# Altium PCB 20240807_Carrier.PcbDoc (part 2 of 2) (continued)
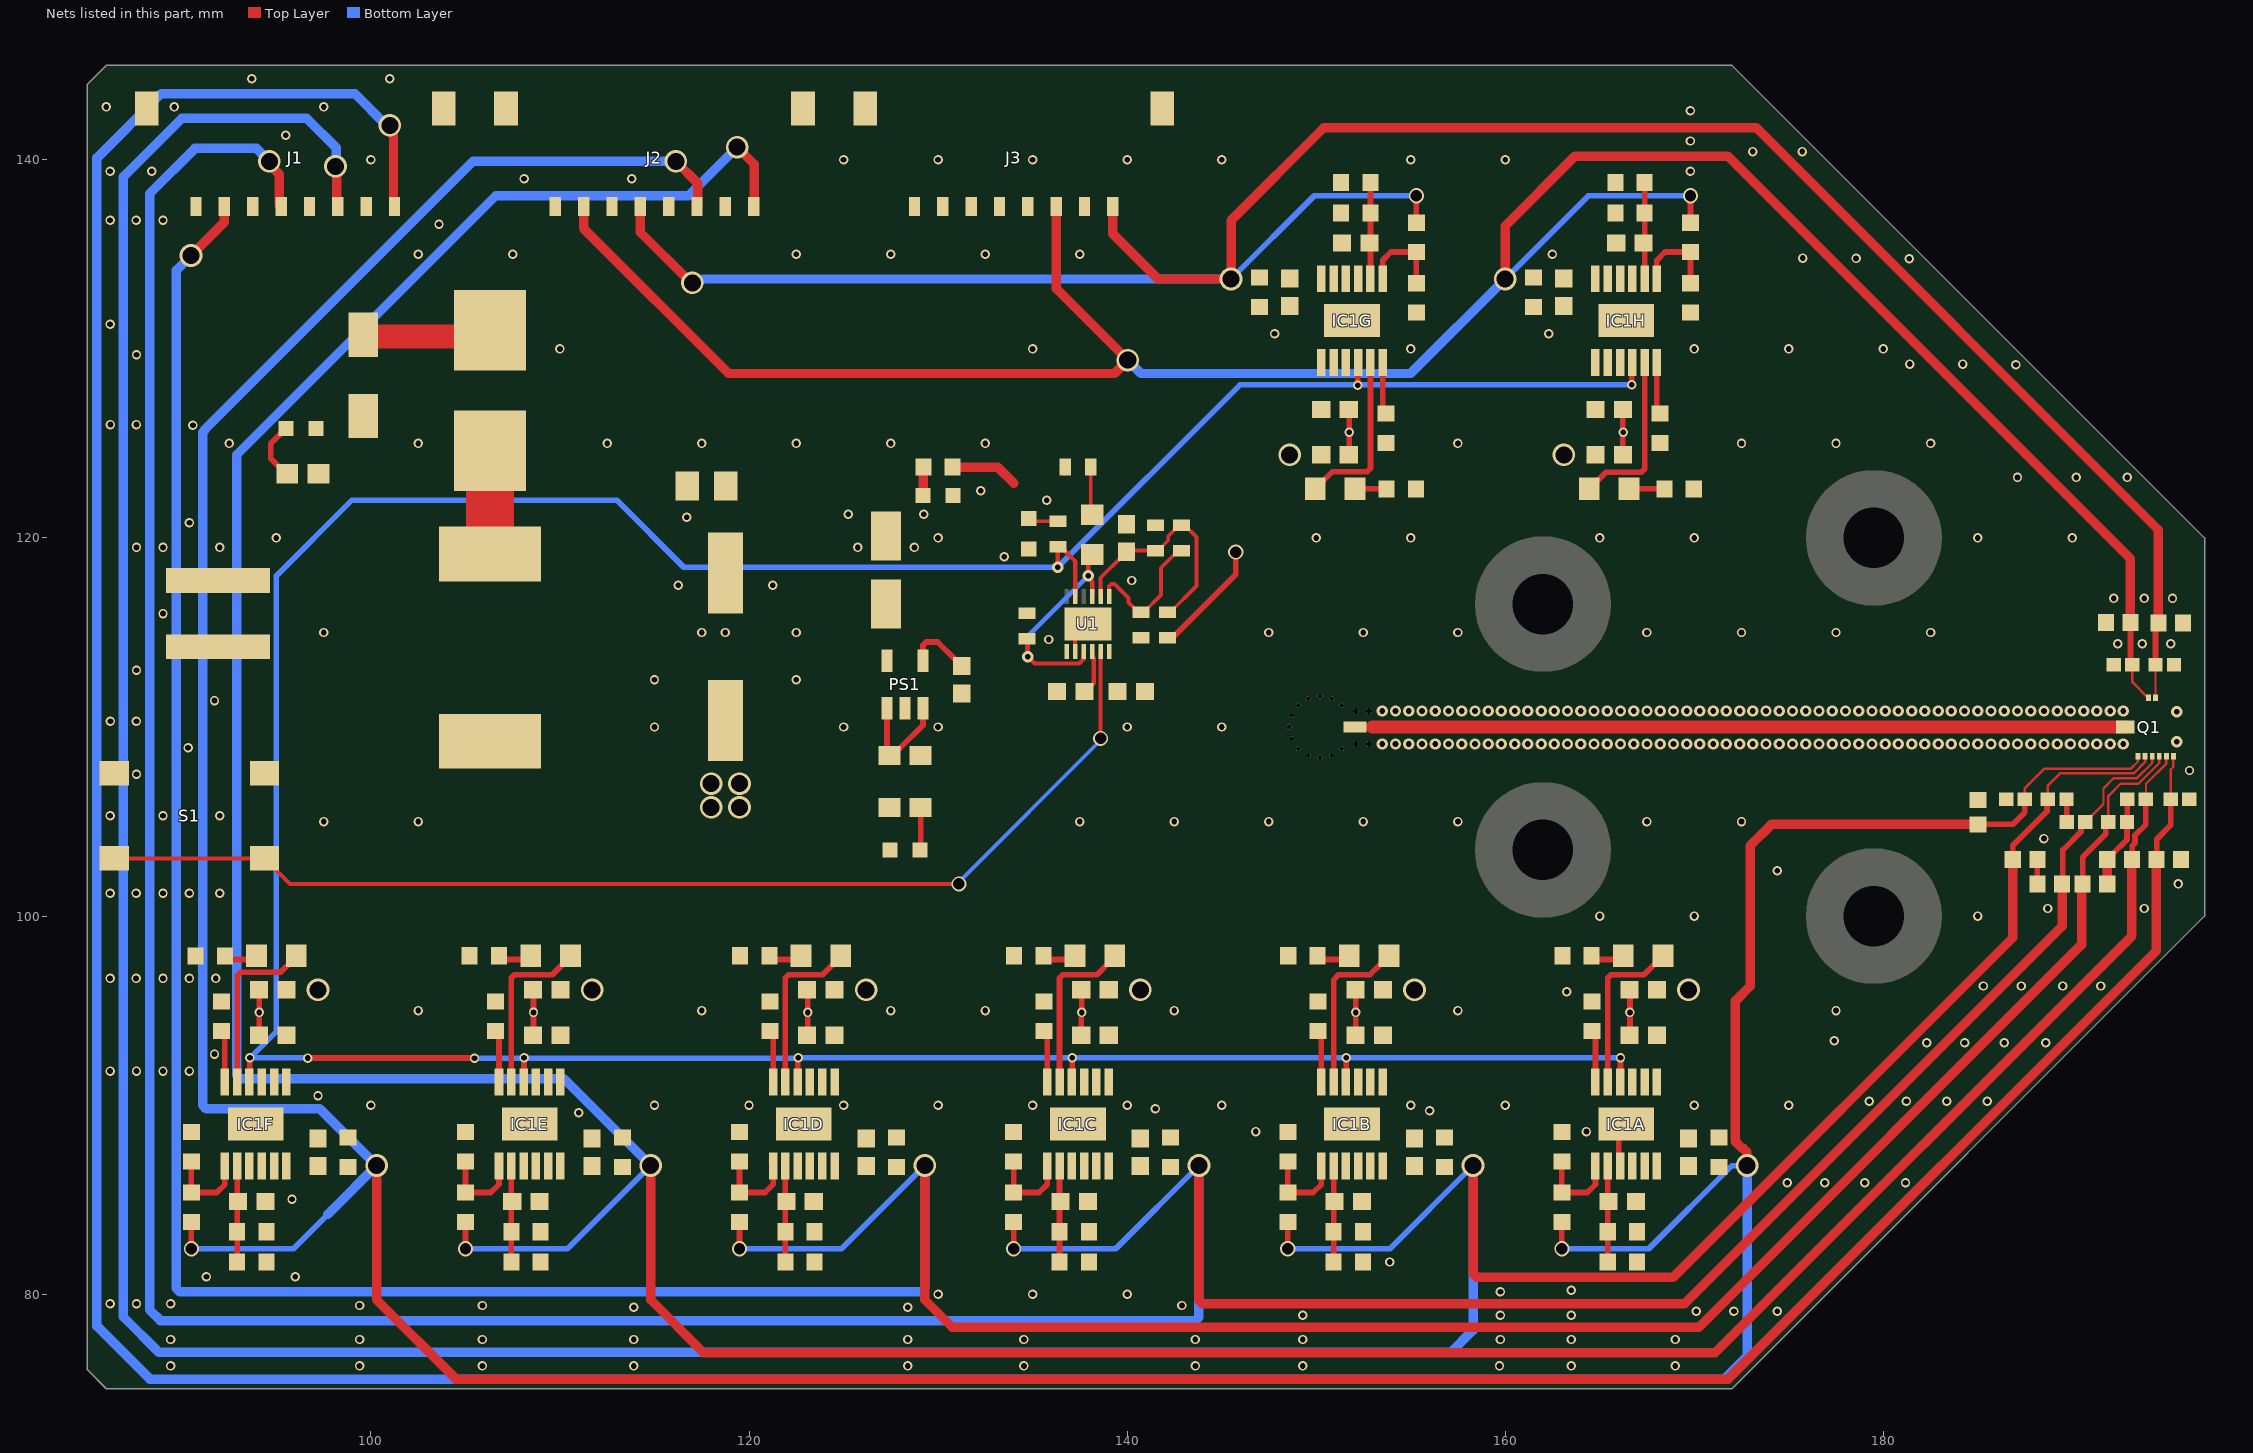
[diagram p2: the nets of this part, all layers, seen from the top]
## Nets (pads, with @x,y where several pads share a name; then routed paths per layer and width w, separated by ;. In a path a pad name is that pad's centre, name@x,y a point inside that pad or via, vN(x,y) a via of type N, cw(c..) or ccw(c..) an arc to the next point about the centre after c; other vN are vias at no path point) (continued)
  Top Layer w0.3: v6(148.5,82.4) RFB1B.1@148.5,83.825 ; C12.2@186.85,103 186.85,103.725 188.225,105.1 188.666,105.541 188.666,106.131 C13.2@188.71,106.175
  Top Layer w0.5: v4(98.124,139.656) 98.195,139.585 J1.3@98.195,137.56 ; v4(158.3,86.8) 158.3,81.083 158.483,80.9 168.9,80.9 186.85,98.85 C12.2@186.85,103
  Bottom Layer w0.3: v6(148.5,82.4) 153.9,82.4 v4@158.14,86.64
  Bottom Layer w0.5: v4(98.124,139.656) 98.17,139.702 98.17,140.63 96.6,142.2 90,142.2 86.9,139.1 86.9,78.8 88.782,76.918 157.118,76.918 158.3,78.1 v4(158.3,86.8)
J1-5: C16.2 C17.2 C26C.2 IC1C.10 IC1C.11 IC1C.12 J1.5 Q1.4 R12C.1 RFB1C.1 | length 218.9
  Top Layer w0.127: C17.2@190.71,104.975 191.007,105.272 191.007,105.292 191.65,105.935 191.65,106.75 192.196,107.296 193.421,107.296 194.225,108.1 Q1.4@194.225,108.45
  Top Layer w0.3: v6(134,82.4) RFB1C.1@134,83.825 ; C16.2@189.45,101.7 189.5,101.75 189.5,103.5 190.46,104.46 190.46,104.765 190.67,104.975 C17.2@190.69,104.975
  Top Layer w0.5: v4(94.625,139.925) 94.625,139.767 95.145,139.247 95.145,137.61 J1.5@95.195,137.56 ; v4(143.8,86.8) 143.8,79.683 143.983,79.5 169.5,79.5 189.463,99.463 189.463,101.687 C16.2@189.45,101.7
  Bottom Layer w0.3: v6(134,82.4) 139.4,82.4 v4(143.8,86.8)
  Bottom Layer w0.5: v4(94.625,139.925) 94.625,139.931 93.947,140.609 90.691,140.609 88.3,138.217 88.3,79.165 88.865,78.6 143.617,78.6 143.8,78.783 v4(143.8,86.8)
J1-7: C20.2 C21.2 C26D.2 IC1D.10 IC1D.11 IC1D.12 J1.7 Q1.3 R12D.1 RFB1D.1 | length 207.1
  Top Layer w0.127: C21.2@191.91,104.975 191.91,106.354 192.556,107 193.5,107 194.6,108.1 Q1.3@194.6,108.45
  Top Layer w0.3: v6(119.5,82.4) RFB1D.1@119.5,83.825 ; C20.2@190.55,101.7 190.55,103.125 191.767,104.342 191.767,104.832 C21.2@191.91,104.975
  Top Layer w0.5: v4(90.481,134.938) 92.25,136.707 J1.7@92.25,137.53 ; v4(129.3,86.8) 129.3,79.7 130.75,78.25 170.25,78.25 190.492,98.492 C20.2@190.492,101.7 ; C20.2@190.55,101.7 C20.2@190.592,101.658
  Bottom Layer w0.3: v6(119.5,82.4) 124.9,82.4 v4(129.3,86.8)
  Bottom Layer w0.5: v4(90.481,134.938) 89.7,134.157 89.7,80.3 89.883,80.117 129.117,80.117 129.3,80.3 v4(129.3,86.8)
J2-1: C10.2 C11.2 C26E.2 IC1E.10 IC1E.11 IC1E.12 J2.1 Q1.2 R12E.1 RFB1E.1 | length 212.5
  Top Layer w0.127: C11.2@193.89,106.175 193.9,106.185 193.9,107 194.975,108.075 Q1.2@194.975,108.45
  Top Layer w0.3: v6(105,82.4) RFB1E.1@105,83.825 ; C10.2@193.15,103 193.175,103.025 193.175,103.724 193.315,103.864 193.315,104.271 193.89,104.846 C11.2@193.89,106.175
  Top Layer w0.5: v4(114.8,86.8) 114.8,79.7 117.6,76.9 171.1,76.9 193.15,98.95 C10.2@193.15,103 ; v4(119.375,140.675) 120.28,139.77 J2.1@120.28,137.56
  Bottom Layer w0.3: v6(105,82.4) 110.4,82.4 v4(114.8,86.8)
  Bottom Layer w0.5: v4(114.8,86.8) 110.2,91.4 93.083,91.4 92.9,91.583 92.9,124.4 106.6,138.1 116.8,138.1 v4(119.375,140.675)
J2-3: C14.2 C15.2 C26F.2 IC1F.10 IC1F.11 IC1F.12 J2.3 Q1.1 R12F.1 RFB1F.1 | length 215.9
  Top Layer w0.127: C15.2@195.21,106.175 195.21,107.76 195.35,107.9 Q1.1@195.35,108.45
  Top Layer w0.3: v6(90.5,82.4) RFB1F.1@90.5,83.825 ; C14.2@194.464,103.164 194.464,104.064 195.21,104.81 C15.2@195.21,106.175
  Top Layer w0.5: v4(100.3,86.8) 100.3,79.7 104.496,75.504 171.791,75.504 194.45,98.163 C14.2@194.45,103 ; v4(116.125,139.925) 117.28,138.77 117.28,137.56 J2.3@117.3,137.54
  Bottom Layer w0.3: v6(90.5,82.4) 95.9,82.4 97.724,84.224
  Bottom Layer w0.5: 97.724,84.224 97.907,84.407 v4(100.3,86.8) 97.3,89.8 91.283,89.8 91.1,89.983 91.1,125.589 91.212,125.7 91.212,125.737 105.4,139.925 v4(116.125,139.925)
J2-5: C18.2 C19.2 C26G.2 IC1G.10 IC1G.11 IC1G.12 J2.5 J3.1 Q1.8 R12G.1 RFB1G.1 | length 127.5
  Top Layer w0.127: Q1.8@194.4,111.475 C19.2@194.4,113.3
  Top Layer w0.3: RFB1G.1@155.3,136.675 v6(155.3,138.1) ; C19.2@194.4,113.3 194.4,115.45 C18.2@194.45,115.5
  Top Layer w0.5: J2.5@114.25,137.53 114.25,136.175 116.925,133.5 v4(117,133.5) ; J3.1@139.25,137.53 139.25,136.084 141.634,133.7 v4(145.5,133.7) 145.5,136.8 150.4,141.7 173.289,141.7 194.55,120.439 C18.2@194.55,115.5
  Bottom Layer w0.3: v4(145.5,133.7) 149.9,138.1 v6(155.3,138.1)
  Bottom Layer w0.5: v4(117,133.5) 117.134,133.634 117.467,133.634 117.533,133.7 v4(145.5,133.7) v4@145.525,133.7
J2-7: C22.2 C23.2 C26H.2 IC1H.10 IC1H.11 IC1H.12 J2.7 J3.3 Q1.7 R12H.1 RFB1H.1 | length 132.5
  Top Layer w0.127: C23.2@193.175,113.3 193.175,112.375 194.012,111.539 Q1.7@194.012,111.512
  Top Layer w0.3: RFB1H.1@169.8,136.675 v6(169.8,138.1) ; C22.2@193.075,115.525 193.075,113.4 C23.2@193.175,113.3
  Top Layer w0.5: J2.7@111.25,137.53 111.25,136.375 118.925,128.7 139.328,128.7 v4(140.034,129.406) 136.25,133.191 J3.3@136.25,137.53 ; v4(160,133.7) 160,136.5 163.7,140.2 171.771,140.2 193.075,118.896 C22.2@193.075,115.55
  Bottom Layer w0.3: v4(160,133.7) 164.4,138.1 v6(169.8,138.1)
  Bottom Layer w0.5: v4(140.034,129.406) 140.741,128.7 155,128.7 v4(160,133.7)
Kill: D1.1 R2.1 U1.3 U1.9 | length 12.7
  Top Layer w0.229: R2.1@134.71,114.669 134.75,114.629 v2(134.75,113.725) 135.119,113.356 137.464,113.356 137.7,113.592 U1.3@137.7,113.998 ; U1.9@138.15,116.902 138.15,117.7 137.95,117.9 v2(137.95,118) 137.95,118.925 D1.1@138.15,119.125 D1.1@138.157,119.118
  Bottom Layer w0.229: v2(134.75,113.725) 134.75,114.8 v2(137.95,118) v2@137.95,117.9
NetB1_1: B1.1 D3.1 | length 6.9
  Top Layer w1.27: D3.1@99.6,130.65 105.86,130.65 106.25,131.04 B1.1@106.3,130.99
NetB1_2: B1.2 L1.1 | length 5.5
  Top Layer w2.54: L1.1@106.3,119.15 B1.2@106.3,124.61
NetC1_2: C1.2 U1.4 | length 2.4
  Top Layer w0.229: C1.2@137.752,111.875 138.094,112.217 138.127,112.217 138.231,112.32 138.231,113.629 138.15,113.71 U1.4@138.15,113.998
NetC3_1: C3.1 R4.1 R5.1 R6.2 U1.8 | length 12.4
  Top Layer w0.2: U1.8@138.598,116.904 138.598,117.896 138.68,117.978 139.596,118.894 139.619,118.894 140.069,119.344 141.66,119.344 141.835,119.519 141.835,119.535 142.175,119.875 142.175,120.106 142.769,120.7 143.025,120.7 143.675,120.05 143.675,117.459 142.285,116.069 R6.2@142.135,116.069
NetC4_2: C4.2 R10.2
NetC7_2: C7.2 PS1.4 | length 3.5
  Top Layer w0.3: PS1.4@129.2,113.5 129.2,114.324 129.376,114.5 129.977,114.5 130.921,113.556 130.944,113.556 131.25,113.25 C7.2@131.25,113.227
NetC27A_2: C27A.2 IC1A.8 RSET1A.1 RSET2A.1 | length 5.1
  Top Layer w0.3: RSET2A.1@165.425,81.7 RSET1A.1@165.425,83.3 165.425,84.852 C27A.2@165.473,84.9 165.425,84.948 IC1A.8@165.425,86.788
NetC27B_2: C27B.2 IC1B.8 RSET1B.1 RSET2B.1 | length 5
  Top Layer w0.3: RSET2B.1@150.925,81.7 RSET1B.1@150.925,83.3 C27B.2@150.925,84.852 ; C27B.2@150.925,84.948 IC1B.8@150.925,86.788
NetC27C_2: C27C.2 IC1C.8 RSET1C.1 RSET2C.1 | length 5
  Top Layer w0.3: RSET2C.1@136.425,81.7 RSET1C.1@136.425,83.3 C27C.2@136.425,84.852 ; C27C.2@136.425,84.948 IC1C.8@136.425,86.788
NetC27D_2: C27D.2 IC1D.8 RSET1D.1 RSET2D.1 | length 5.1
  Top Layer w0.3: RSET2D.1@121.925,81.7 RSET1D.1@121.925,83.3 C27D.2@121.925,84.852 ; C27D.2@121.925,84.948 IC1D.8@121.925,86.788 ; C27D.2@121.925,84.952 C27D.2@121.973,85
NetC27E_2: C27E.2 IC1E.8 RSET1E.1 RSET2E.1 | length 4.9
  Top Layer w0.3: RSET2E.1@107.425,81.8 107.425,83.4 107.425,84.952 C27E.2@107.473,85 ; C27E.2@107.425,85.152 IC1E.8@107.425,86.788
NetC27F_2: C27F.2 IC1F.8 RSET1F.1 RSET2F.1 | length 5
  Top Layer w0.3: RSET2F.1@92.925,81.8 92.925,83.4 92.925,84.952 C27F.2@92.973,85 ; IC1F.8@92.925,86.888 IC1F.8@92.925,86.788 92.925,85.248 C27F.2@93.025,85.148
NetC27G_2: C27G.2 IC1G.8 RSET1G.1 RSET2G.1 | length 5
  Top Layer w0.3: IC1G.8@152.875,133.712 C27G.2@152.875,135.552 ; C27G.2@152.875,135.648 RSET1G.1@152.875,137.2 RSET2G.1@152.875,138.8
NetC27H_2: C27H.2 IC1H.8 RSET1H.1 RSET2H.1 | length 5
  Top Layer w0.3: IC1H.8@167.375,133.712 C27H.2@167.375,135.552 ; C27H.2@167.375,135.648 RSET1H.1@167.375,137.2 RSET2H.1@167.375,138.8
NetD1_2: D1.2 R1.1 | length 2.6
  Top Layer w0.2: R1.1@138.081,123.76 138.081,121.294 D1.2@138.15,121.225
NetD2_2: D2.2 R3.1 | length 1.6
  Top Layer w0.2: D2.2@134.8,121.025 134.944,120.881 R3.1@136.34,120.881
NetD3_2: D3.2 J5.2 R8.2
NetD4_2: D4.2 R8.1 | length 3.1
  Top Layer w0.3: D4.2@95.5,125.8 94.7,125 94.7,124.2 95.4,123.5 R8.1@95.573,123.5
NetD5_2: D5.2 R9.1 | length 2.3
  Top Layer w0.3: D5.2@129.05,103.5 129.077,103.527 R9.1@129.077,105.75
NetD6_2: D6.2 R11.1 | length 1.5
  Top Layer w0.5: D6.2@129.2,122.25 129.225,122.275 R11.1@129.225,123.75
NetD7A_1: D7A.1 IC1A.5 | length 9
  Top Layer w0.3: IC1A.5@165.425,91.212 165.425,96.72 165.601,96.896 167.346,96.896 167.9,97.45 167.95,97.45 168.35,97.85 D7A.1@168.35,97.9
NetD7A_2: D7A.2 R13A.1 | length 1.8
  Top Layer w0.3: R13A.1@164.575,97.7 166.25,97.7 D7A.2@166.4,97.7
NetD7B_1: D7B.1 IC1B.5 | length 8.8
  Top Layer w0.3: IC1B.5@150.925,91.212 150.925,96.625 151.2,96.9 152.85,96.9 153.4,97.45 153.6,97.45 D7B.1@153.85,97.7
NetD7B_2: D7B.2 R13B.1 | length 1.7
  Top Layer w0.3: R13B.1@150.075,97.7 D7B.2@151.75,97.7
NetD7C_1: D7C.1 IC1C.5 | length 8.8
  Top Layer w0.3: IC1C.5@136.425,91.212 136.425,95.825 136.425,96.723 136.601,96.899 138.399,96.899 139.2,97.7 D7C.1@139.35,97.7
NetD7C_2: D7C.2 R13C.1 | length 1.7
  Top Layer w0.3: R13C.1@135.575,97.7 D7C.2@137.25,97.7
NetD7D_1: D7D.1 IC1D.5 | length 9
  Top Layer w0.3: IC1D.5@121.925,91.212 121.925,96.724 122.101,96.9 123.903,96.9 124.45,97.447 124.45,97.45 124.668,97.668 D7D.1@124.85,97.668 ; D7D.1@124.882,97.668 124.975,97.762 D7D.1@124.975,97.812
NetD7D_2: D7D.2 R13D.1 | length 1.8
  Top Layer w0.3: R13D.1@121.075,97.7 122.75,97.7 D7D.2@122.9,97.7
NetD7E_1: D7E.1 IC1E.5 | length 9.1
  Top Layer w0.3: IC1E.5@107.425,91.212 107.425,96.719 107.601,96.895 109.595,96.895 110.15,97.45 110.45,97.75 D7E.1@110.55,97.75
NetD7E_2: D7E.2 R13E.1 | length 1.7
  Top Layer w0.3: R13E.1@106.775,97.7 D7E.2@108.45,97.7
NetD7F_1: D7F.1 IC1F.5 | length 9
  Top Layer w0.3: IC1F.5@92.925,91.312 92.925,96.849 93.101,97.025 95.225,97.025 95.9,97.7 D7F.1@96.05,97.7
NetD7F_2: D7F.2 R13F.1 | length 1.7
  Top Layer w0.3: R13F.1@92.275,97.7 D7F.2@93.95,97.7
NetD7G_1: D7G.1 IC1G.5 | length 9
  Top Layer w0.3: D7G.1@149.95,122.6 150.858,123.508 152.699,123.508 152.875,123.684 IC1G.5@152.875,129.288
NetD7G_2: D7G.2 R13G.1 | length 1.7
  Top Layer w0.3: D7G.2@152.05,122.6 R13G.1@153.725,122.6
NetD7H_1: D7H.1 IC1H.5 | length 9
  Top Layer w0.3: D7H.1@164.45,122.6 164.45,122.65 164.85,123.05 164.908,123.05 165.333,123.475 167.199,123.475 167.375,123.651 IC1H.5@167.375,129.288
NetD7H_2: D7H.2 R13H.1 | length 1.9
  Top Layer w0.3: D7H.2@166.55,122.6 R13H.1@168.425,122.6
NetIC1A_4: IC1A.4 IC1B.4 IC1C.4 IC1D.4 IC1E.4 IC1F.4 IC1G.4 IC1H.4 R3.2 U1.11 | length 191.5
  Top Layer w0.229: v2(136.325,118.45) 136.34,118.465 R3.2@136.34,119.531 136.526,119.345 136.68,119.345 137.25,118.775 U1.11@137.25,116.902
  Top Layer w0.3: IC1F.4@93.558,91.481 93.596,91.52 93.596,92.496 v1(93.6,92.5) ; v1(96.655,92.488) 105.475,92.488 v1(105.478,92.484) ; IC1E.4@108.075,91.312 108.096,91.333 108.096,92.496 v1(108.1,92.5) ; IC1D.4@122.575,91.212 122.575,92.475 v1(122.6,92.5) ; IC1C.4@137.075,91.212 137.1,91.237 v1(137.1,92.5) ; IC1B.4@151.575,91.212 151.6,91.237 v1(151.6,92.5) ; v1(152.2,128.075) 152.2,129.263 IC1G.4@152.225,129.288 ; IC1A.4@166.075,91.212 166.1,91.237 v1(166.1,92.5) ; v1(166.7,128.1) 166.7,129.263 IC1H.4@166.725,129.288
  Bottom Layer w0.3: v1@96.782,92.5 v1(93.6,92.5) 95,93.9 95,118 99,122 113,122 116.55,118.45 v2(136.325,118.45) 145.975,128.1 152.175,128.1 v1(152.2,128.075) ; v1(105.478,92.484) v1@108.084,92.484 ; v1@108.116,92.484 v1@122.584,92.484 ; v1(122.6,92.5) v1(137.1,92.5) v1(151.6,92.5) v1(166.1,92.5) ; v1@152.2,128.1 v1(166.7,128.1)
NetIC1A_6: IC1A.6 RLIMA.1 | length 2.9
  Top Layer w0.3: RLIMA.1@164.5,93.925 164.775,93.65 IC1A.6@164.775,91.212 ; RLIMA.1@164.525,93.937 RLIMA.1@164.568,93.893
NetIC1A_7: IC1A.7 RFB1A.2 RFB2A.1 | length 4.5
  Top Layer w0.3: RFB1A.2@163,85.375 RFB2A.1@163,87.025 ; RFB1A.2@163.2,85.375 164.342,85.375 164.775,85.808 IC1A.7@164.775,86.888
NetIC1B_6: IC1B.6 RLIMB.1 | length 2.8
  Top Layer w0.2: RLIMB.1@150.1,93.925 RLIMB.1@150.275,93.75
  Top Layer w0.3: IC1B.6@150.275,91.212 RLIMB.1@150.275,93.75
NetIC1B_7: IC1B.7 RFB1B.2 RFB2B.1 | length 4.5
  Top Layer w0.3: RFB1B.2@148.5,85.375 RFB2B.1@148.5,87.025 ; RFB1B.2@148.7,85.375 149.842,85.375 150.275,85.808 IC1B.7@150.275,86.888
NetIC1C_6: IC1C.6 RLIMC.1 | length 2.8
  Top Layer w0.3: RLIMC.1@135.6,93.925 135.775,93.75 IC1C.6@135.775,91.212
NetIC1C_7: IC1C.7 RFB1C.2 RFB2C.1 | length 4.5
  Top Layer w0.3: RFB1C.2@134,85.375 RFB2C.1@134,87.025 ; RFB1C.2@134.2,85.375 135.342,85.375 135.775,85.808 IC1C.7@135.775,86.888
NetIC1D_6: IC1D.6 RLIMD.1 | length 2.8
  Top Layer w0.3: RLIMD.1@121.1,93.925 121.275,93.75 IC1D.6@121.275,91.212
NetIC1D_7: IC1D.7 RFB1D.2 RFB2D.1 | length 4.5
  Top Layer w0.3: RFB1D.2@119.5,85.375 RFB2D.1@119.5,87.025 ; RFB1D.2@119.7,85.375 120.842,85.375 121.275,85.808 IC1D.7@121.275,86.888 ; IC1D.7@121.19,86.99 IC1D.7@121.2,87
NetIC1E_6: IC1E.6 RLIME.1 | length 2.6
  Top Layer w0.3: RLIME.1@106.5,93.925 106.775,93.65 IC1E.6@106.775,91.412
NetIC1E_7: IC1E.7 RFB1E.2 RFB2E.1 | length 4.5
  Top Layer w0.3: RFB1E.2@105,85.375 RFB2E.1@105,87.025 ; RFB1E.2@105.2,85.375 106.342,85.375 106.775,85.808 IC1E.7@106.775,86.888
NetIC1F_6: IC1F.6 RLIMF.1 | length 2.7
  Top Layer w0.3: RLIMF.1@92,93.925 92.275,93.65 IC1F.6@92.275,91.312
NetIC1F_7: IC1F.7 RFB1F.2 RFB2F.1 | length 4.5
  Top Layer w0.3: RFB1F.2@90.5,85.375 RFB2F.1@90.5,87.025 ; RFB1F.2@90.7,85.375 91.842,85.375 92.275,85.808 IC1F.7@92.275,86.888
NetIC1G_6: IC1G.6 RLIMG.1 | length 2.8
  Top Layer w0.3: IC1G.6@153.525,129.288 153.525,126.75 RLIMG.1@153.7,126.575
NetIC1G_7: IC1G.7 RFB1G.2 RFB2G.1 | length 4.5
  Top Layer w0.3: IC1G.7@153.525,133.612 153.525,134.692 153.958,135.125 RFB1G.2@155.1,135.125 ; RFB2G.1@155.3,133.475 RFB1G.2@155.3,135.125
NetIC1H_6: IC1H.6 RLIMH.1 | length 2.8
  Top Layer w0.3: RLIMH.1@168.025,126.75 IC1H.6@168.025,129.288
  Top Layer w0.5: RLIMH.1@168.025,126.75 RLIMH.1@168.2,126.575
NetIC1H_7: IC1H.7 RFB1H.2 RFB2H.1 | length 4.5
  Top Layer w0.3: IC1H.7@168.025,133.612 168.025,134.692 168.458,135.125 RFB1H.2@169.6,135.125 ; RFB2H.1@169.8,133.475 RFB1H.2@169.8,135.125
NetQ1_SIG: Q1.SIG RF.2 | length 41.9
  Top Layer w0.3: RF.2@152.055,110 152.144,110 154.15,110
  Top Layer w0.67: 152.974,110 Q1.SIG@192.8,110
NetR5_2: R5.2 R7.2 U1.7 | length 7
  Top Layer w0.2: U1.7@139.05,116.902 139.05,117.45 139.167,117.567 139.333,117.567 140.075,116.825 140.075,116.59 140.385,116.28 140.385,116.269 140.585,116.069 140.885,116.069 141.8,116.984 141.8,118.425 R5.2@142.575,119.2
NetS1_1: S1.1 S1.2 U1.5 | length 60.6
  Top Layer w0.2: S1.2@86.425,103.05 S1.1@94.375,103.05 95.725,101.7 v6(131.1,101.7) ; v6(138.6,109.4) U1.5@138.6,113.998
  Bottom Layer w0.2: v6(131.1,101.7) 131.1,101.8 138.6,109.3 v6(138.6,109.4)
VCC: C2.1 C4.1 C6.1 C24A.2 C24B.2 C24C.2 C24D.2 C24E.2 C24F.2 C24G.2 C24H.2 C25A.2 C25B.2 C25C.2 C25D.2 C25E.2 C25F.2 C25G.2 C25H.2 IC1A.1 IC1A.2 IC1A.3 IC1B.1 IC1B.2 IC1B.3 IC1C.1 IC1C.2 IC1C.3 IC1D.1 IC1D.2 IC1D.3 IC1E.1 IC1E.2 IC1E.3 IC1F.1 IC1F.2 IC1F.3 IC1G.1 IC1G.2 IC1G.3 IC1H.1 IC1H.2 IC1H.3 L1.2 PS1.1 PS1.3 R6.1 R7.1 R9.2 U1.6 | length 12.1
  Top Layer w0.3: PS1.1@127.3,111 127.3,108.623 C6.1@127.423,108.5 127.779,108.856 127.959,108.856 129.2,110.097 PS1.3@129.2,111 ; C2.1@139.5,111.875 C2.1@139.523,111.875 ; R6.1@142.135,114.719 142.285,114.869 142.544,114.869 145.75,118.075 v6(145.75,119.25) ; IC1A.1@167.95,91.424 IC1A.1@167.952,91.426
  other v4: 97.2,96.1 111.7,96.1 126.2,96.1 140.7,96.1 155.2,96.1 169.7,96.1 118,105.75 119.5,105.75 118,107 119.5,107 148.6,124.4 163.1,124.4
pads on no net: Designator2.1 Designator3.1 Designator5.1 Designator6.1 U1.10 U1.12
copper on no net:
  other v3: 179.5,97.4 177.662,98.162 181.338,98.162 176.9,100 182.1,100 162,100.9 160.162,101.662 163.838,101.662 177.662,101.838 181.338,101.838 179.5,102.6 159.4,103.5 164.6,103.5 160.162,105.338 163.838,105.338 162,106.1 162,113.9 160.162,114.662 163.838,114.662 159.4,116.5 164.6,116.5 179.5,117.4 177.662,118.162 181.338,118.162 160.162,118.338 163.838,118.338 162,119.1 176.9,120 182.1,120 177.662,121.838 181.338,121.838 179.5,122.6

## Polygon pours and split planes (outlines as drawn)
GND on Top Layer "NONET_L01_P-001" (solid, remove dead copper, pour order 130): 85,76 86,75 172,75 197,100 197,120 172,145 86,145 85,144
3V3 on Top Layer "NONET_L01_P-001" (solid, pour order 88): 90,98.375 90,97.375 90.5,96.925 91,96.925 91.5,97.375 91.5,98.375
NetD3_2 on Top Layer "NONET_L01_P-001" (solid, pour order 111): 98.9,128.2 98.6,127.9 98.6,124.3 98.3,124 96.7,124 96.6,123.9 96.6,122.9 96.7,122.8 98.3,122.8 98.6,122.5 98.6,120.1 97.1,118.6 89.4,118.6 89,118.3 89,117.1 89.4,116.875 97.775,116.875 100.6,119.7 100.6,127.9 100.3,128.2
3V3 on Top Layer "NONET_L01_P-001" (solid, pour order 30): 134.25,117 135,117 135.5,116.5 135.5,116 135,115.5 129.25,115.5 128.25,114.5 128.25,113 127.75,112.5 126.75,112.5 126,113.25 126,117.75 126.5,118.25 133,118.25
VCC on Top Layer "NONET_L01_P-001" (solid, pour order 127): 95.2,96.9 94.8,96.6 94.8,93 93.95,92.15 93.95,90.45 95.95,90.45 96.2,90.7 96.2,94 96.8,94.6 97.4,94.6 97.9,95.1 97.9,96.6 97.6,96.9
VCC on Top Layer "NONET_L01_P-001" (solid, pour order 126): 109.7,96.9 109.3,96.6 109.3,93 108.45,92.15 108.45,90.45 110.45,90.45 110.7,90.7 110.7,94 111.3,94.6 111.9,94.6 112.4,95.1 112.4,96.6 112.1,96.9
VCC on Top Layer "NONET_L01_P-001" (solid, pour order 125): 124.2,96.9 123.8,96.6 123.8,93 122.95,92.15 122.95,90.45 124.95,90.45 125.2,90.7 125.2,94 125.8,94.6 126.4,94.6 126.9,95.1 126.9,96.6 126.6,96.9
VCC on Top Layer "NONET_L01_P-001" (solid, pour order 124): 138.7,96.9 138.3,96.6 138.3,93 137.45,92.15 137.45,90.45 139.45,90.45 139.7,90.7 139.7,94 140.3,94.6 140.9,94.6 141.4,95.1 141.4,96.6 141.1,96.9
VCC on Top Layer "NONET_L01_P-001" (solid, pour order 123): 153.2,96.9 152.8,96.6 152.8,93 151.95,92.15 151.95,90.45 153.95,90.45 154.2,90.7 154.2,94 154.8,94.6 155.4,94.6 155.9,95.1 155.9,96.6 155.6,96.9
VCC on Top Layer "NONET_L01_P-001" (solid, pour order 122): 167.7,96.9 167.3,96.6 167.3,93 166.45,92.15 166.45,90.45 168.45,90.45 168.7,90.7 168.7,94 169.3,94.6 169.9,94.6 170.4,95.1 170.4,96.6 170.1,96.9
VCC on Top Layer "NONET_L01_P-001" (solid, pour order 120): 165.1,123.6 165.5,123.9 165.5,127.5 166.35,128.35 166.35,130.05 164.35,130.05 164.1,129.8 164.1,126.5 163.5,125.9 162.9,125.9 162.4,125.4 162.4,123.9 162.7,123.6
3V3 on Top Layer "NONET_L01_P-001" (solid, pour order 110): 170.75,122.125 170.75,123.15 170.25,123.6 169.75,123.6 169.25,123.15 169.25,122.125
3V3 on Top Layer "NONET_L01_P-001" (solid, pour order 109): 156,122.125 156,123.125 155.5,123.575 155,123.575 154.5,123.125 154.5,122.125
VCC on Top Layer "NONET_L01_P-001" (solid, pour order 107): 150.6,123.6 151,123.9 151,127.5 151.85,128.35 151.85,130.05 149.85,130.05 149.6,129.8 149.6,126.5 149,125.9 148.4,125.9 147.9,125.4 147.9,123.9 148.2,123.6
J2-5 on Top Layer "NONET_L01_P-001" (solid, pour order 106): 151.8,134.6 151.9,134.5 151.9,133 151.8,132.9 145,132.9 144.8,133.1 144.8,134.4 145,134.6
J2-7 on Top Layer "NONET_L01_P-001" (solid, pour order 97): 166.3,134.6 166.4,134.5 166.4,133 166.3,132.9 159.5,132.9 159.3,133.1 159.3,134.4 159.5,134.6
3V3 on Top Layer "NONET_L01_P-001" (solid, pour order 95): 91.5,98.375 92.125,99 103.9,99 104.5,98.375 106,98.375 106.625,99 118.2,99 118.8,98.375 120.3,98.375 120.925,99 132.7,99 133.3,98.375 134.8,98.375 135.425,99 147.2,99 147.8,98.375 149.3,98.375 149.907,98.982 155.05,99 158.8,97.35 163.55,97.35 163.55,98.45 158.8,98.45 155.05,100.1 90.3,100.1 89.7,99.5 89.7,98.8 90,98.375
3V3 on Top Layer "NONET_L01_P-001" (solid, pour order 93): 147.8,98.375 147.8,97.375 148.3,96.925 148.8,96.925 149.3,97.375 149.3,98.375
3V3 on Top Layer "NONET_L01_P-001" (solid, pour order 92): 133.3,98.375 133.3,97.375 133.8,96.925 134.3,96.925 134.8,97.375 134.8,98.375
3V3 on Top Layer "NONET_L01_P-001" (solid, pour order 91): 118.8,98.375 118.8,97.375 119.3,96.925 119.8,96.925 120.3,97.375 120.3,98.375
3V3 on Top Layer "NONET_L01_P-001" (solid, pour order 90): 104.5,98.375 104.5,97.375 105,96.925 105.5,96.925 106,97.375 106,98.375
J1-1 on Top Layer "NONET_L01_P-001" (solid, pour order 79): 166.5,85.9 166.4,86 166.4,87.5 166.5,87.6 173.3,87.6 173.5,87.4 173.5,86.1 173.3,85.9
J1-3 on Top Layer "NONET_L01_P-001" (solid, pour order 78): 152,85.9 151.9,86 151.9,87.5 152,87.6 158.8,87.6 159,87.4 159,86.1 158.8,85.9
J1-5 on Top Layer "NONET_L01_P-001" (solid, pour order 77): 137.5,85.9 137.4,86 137.4,87.5 137.5,87.6 144.3,87.6 144.5,87.4 144.5,86.1 144.3,85.9
J1-7 on Top Layer "NONET_L01_P-001" (solid, pour order 76): 123,85.9 122.9,86 122.9,87.5 123,87.6 129.8,87.6 130,87.4 130,86.1 129.8,85.9
J2-1 on Top Layer "NONET_L01_P-001" (solid, pour order 75): 108.5,85.9 108.4,86 108.4,87.5 108.5,87.6 115.3,87.6 115.5,87.4 115.5,86.1 115.3,85.9
J2-3 on Top Layer "NONET_L01_P-001" (solid, pour order 73): 94,85.9 93.9,86 93.9,87.5 94,87.6 100.8,87.6 101,87.4 101,86.1 100.8,85.9
3V3 on Top Layer "NONET_L01_P-001" (solid, pour order 44): 133,118.25 133,121.25 134.3,122.6 136.3,122.6 137.2,123.2 137.2,124.3 137.9,125.1 140.5,125.1 147.6,121 170.987,121 170.987,121.5 170.75,122.125 169.25,122.125 169,121.5 156.2,121.5 156,122.125 154.5,122.125 154.3,121.5 147.6,121.5 140.5,125.6 137.5,125.6 136.3,124.3 136.3,123.3 134,123.3 132.25,121.5 132.25,119 131.5,118.25
3V3 on Top Layer "NONET_L01_P-001" (solid, pour order 41): 131.5,115.5 132.25,114.75 132.25,101.5 130.75,100 135,100 133.5,101.5 133.5,114.75 134.25,115.5
NetC4_2 on Top Layer "NONET_L01_P-001" (solid, pour order 32): 118.25,123.75 118,123.5 118,121 117.5,120.5 117.5,116 117.75,115.75 119.75,115.75 120,116 120,120.5 119.5,121 119.5,123.5 119.25,123.75
VCC on Top Layer "NONET_L01_P-001" (solid, pour order 31): 103.4,110.9 109.2,110.9 109.2,108.05 109.75,107.5 115.75,107.5 115.75,111.25 118,113.5 119.5,113.5 123.75,109.25 127.907,109.25 128.25,108.907 128.25,105.25 127.5,104.5 105,104.5 103.4,106.1 103.4,108.2
VCC on Top Layer "NONET_L01_P-001" (solid, pour order 29): 138.925,114.4 138.925,111.45 139.05,111.35 139.075,111.35 140.1,111.35 140.1,113.375 140.6,113.875 142.55,113.875 142.8,114.125 142.8,115.125 140.025,115.125 139.3,114.4
GND on Bottom Layer "NONET_L01_P-001" (solid, pour order 129): 85,76 86,75 172,75 197,100 197,120 172,145 86,145 85,144
VCC on Bottom Layer "NONET_L01_P-001" (solid, pour order 116): 121.089,98.359 149.661,121.792 148.061,123.492 119.489,100.059
VCC on Bottom Layer "NONET_L01_P-001" (solid, pour order 113): 163.825,124.325 164.1,124 164.1,122.1 163.767,121.7 147.8,121.7 147.4,122.1 147.4,123.9 147.825,124.325 149.325,124.325 149.6,124 162,124 162.325,124.325
VCC on Bottom Layer "NONET_L01_P-001" (solid, pour order 112): 149.325,124.325 149.325,125.325 148.825,125.775 148.325,125.775 147.825,125.325 147.825,124.325
VCC on Bottom Layer "NONET_L01_P-001" (solid, pour order 105): 163.825,124.325 163.825,125.325 163.325,125.775 162.825,125.775 162.325,125.325 162.325,124.325
VCC on Bottom Layer "NONET_L01_P-001" (solid, pour order 104): 168.975,96.175 168.7,96.5 156.3,96.5 155.975,96.175 154.475,96.175 154.15,96.5 141.8,96.5 141.475,96.175 139.975,96.175 139.7,96.5 127.3,96.5 126.975,96.175 125.475,96.175 125.2,96.5 112.8,96.5 112.475,96.175 110.975,96.175 110.7,96.5 98.3,96.5 97.975,96.175 96.475,96.175 96.2,96.5 96.2,98.4 96.5,98.8 170.2,98.8 171,98 171,96.7 170.475,96.175
VCC on Bottom Layer "NONET_L01_P-001" (solid, pour order 103): 96.475,96.175 96.475,95.175 96.975,94.725 97.475,94.725 97.975,95.175 97.975,96.175
VCC on Bottom Layer "NONET_L01_P-001" (solid, pour order 102): 110.975,96.175 110.975,95.175 111.475,94.725 111.975,94.725 112.475,95.175 112.475,96.175
VCC on Bottom Layer "NONET_L01_P-001" (solid, pour order 101): 125.475,96.175 125.475,95.175 125.975,94.725 126.475,94.725 126.975,95.175 126.975,96.175
VCC on Bottom Layer "NONET_L01_P-001" (solid, pour order 100): 139.975,96.175 139.975,95.175 140.475,94.725 140.975,94.725 141.475,95.175 141.475,96.175
VCC on Bottom Layer "NONET_L01_P-001" (solid, pour order 99): 154.475,96.175 154.475,95.175 154.975,94.725 155.475,94.725 155.975,95.175 155.975,96.175
VCC on Bottom Layer "NONET_L01_P-001" (solid, pour order 74): 168.975,96.175 168.975,95.175 169.475,94.725 169.975,94.725 170.475,95.175 170.475,96.175
VCC on Bottom Layer "NONET_L01_P-001" (solid, pour order 63): 117.625,107.75 119.75,107.75 120.25,107.25 120.25,99.25 120.7,98.8 116.8,98.8 117.25,99.25 117.25,107.25
GND on Top Solder "NONET_L01_P-001" (solid, pour order 72): 153.325,112 153.325,108 193,108 193,112
GND on Top Solder "NONET_L01_P-001" (solid): 193.5,108.25 193.058,108.25 193,108 192.975,109.515 193.5,109.515
GND on Top Solder "NONET_L01_P-001" (solid): 193.5,111.75 193.058,111.75 193,112 192.975,110.475 193.5,110.475

## Other copper
Top Layer:
  pour cut-out: 152.66,110.481 152.66,109.52 192.22,109.52 192.225,109.515 192.225,110.475
  pour cut-out: 111.5,130.5 111.5,128.5 114.8,128.5 114.8,130.5
  pour cut-out: 119.65,133.468 119.65,128.968 125.05,128.968 125.05,133.468
  text "TOP" at 111.8,129.075 h0.9
Bottom Layer:
  pour cut-out: 114.8,130.5 118,130.5 118,128.5 114.8,128.5
  text "BOT" at 117.6,129.05 h0.9

## Silkscreen, mask and mechanical layers (free items; w line width, h text height)
Top Overlay:
  text "D" at 92.75,134.5 h1.2 r90
  text "C" at 96.25,134.5 h1.2 r90
  text "B" at 98.75,134.5 h1.2 r90
  text "A" at 102.25,134.5 h1.2 r90
  text "H" at 112.25,134.5 h1.2 r90
  text "G" at 115.25,134.5 h1.2 r90
  text "F" at 118.25,134.5 h1.2 r90
  text "E" at 121.25,134.5 h1.2 r90
  text "H" at 137.25,134.5 h1.2 r90
  text "G" at 140.25,134.5 h1.2 r90
  text "MIRADOR_Carrier_PCB / 08/2024 / Menager" at 126,129.538 h1.52
  text "In : 6-20V" at 86.85,121.65 h1.2 r90
  text "Max I : 260mA" at 88.65,121.6 h1.2 r90
  text "+" at 95.745,118.206 h1.2
  text "ON/OFF" at 96,102.082 h1.2
  text "50 ohm RF line :  / Dk : 4.2 H : 800µm" at 134,101.25 h1.2
Bottom Overlay:
  text "D1  : PFO / D2  : ENB / D4  : Vin / D5  : VinF / D6  : 3V3OK" at 115.45,99.026 h1.2
  text "PFO : Power fail output / ENB : ENABLE / For MMIC: MIRADOR_DBand_FE_Rev1" at 156.525,96.026 h1.2
Top Solder:
  rectangle: 152.66,108 153.325,109.525
  rectangle: 152.66,110.475 153.325,112
  rectangle: 185,112 190,120
Top stencil shape:
  lines w0.254: 25,17 25,207 275,207 275,17 25,17
Board Shape:
  the board outline again, w0.254

## Text inside footprints (layer, text, board x,y; h text height)
D7A: Top Overlay "+" at 166.486,99.85 h1.2 r270
D7B: Top Overlay "+" at 151.986,99.85 h1.2 r270
D7C: Top Overlay "+" at 137.486,99.85 h1.2 r270
D7D: Top Overlay "+" at 122.986,99.85 h1.2 r270
D7E: Top Overlay "+" at 108.686,99.85 h1.2 r270
D7F: Top Overlay "+" at 94.186,99.85 h1.2 r270
D7G: Top Overlay "+" at 151.814,120.65 h1.2 r90
D7H: Top Overlay "+" at 166.314,120.65 h1.2 r90